# Altium PCB Pin28_PCB.PcbDoc (part 1 of 2)
Units mm, origin at the board's own origin, x right, y up, seen from the top; angles counter-clockwise.
Board outline 68.58 x 53.34 mm, 2 copper layers (L1, L2), stack 1.671 mm thick; 101 components, 68 nets, 313 pads, 75 vias.
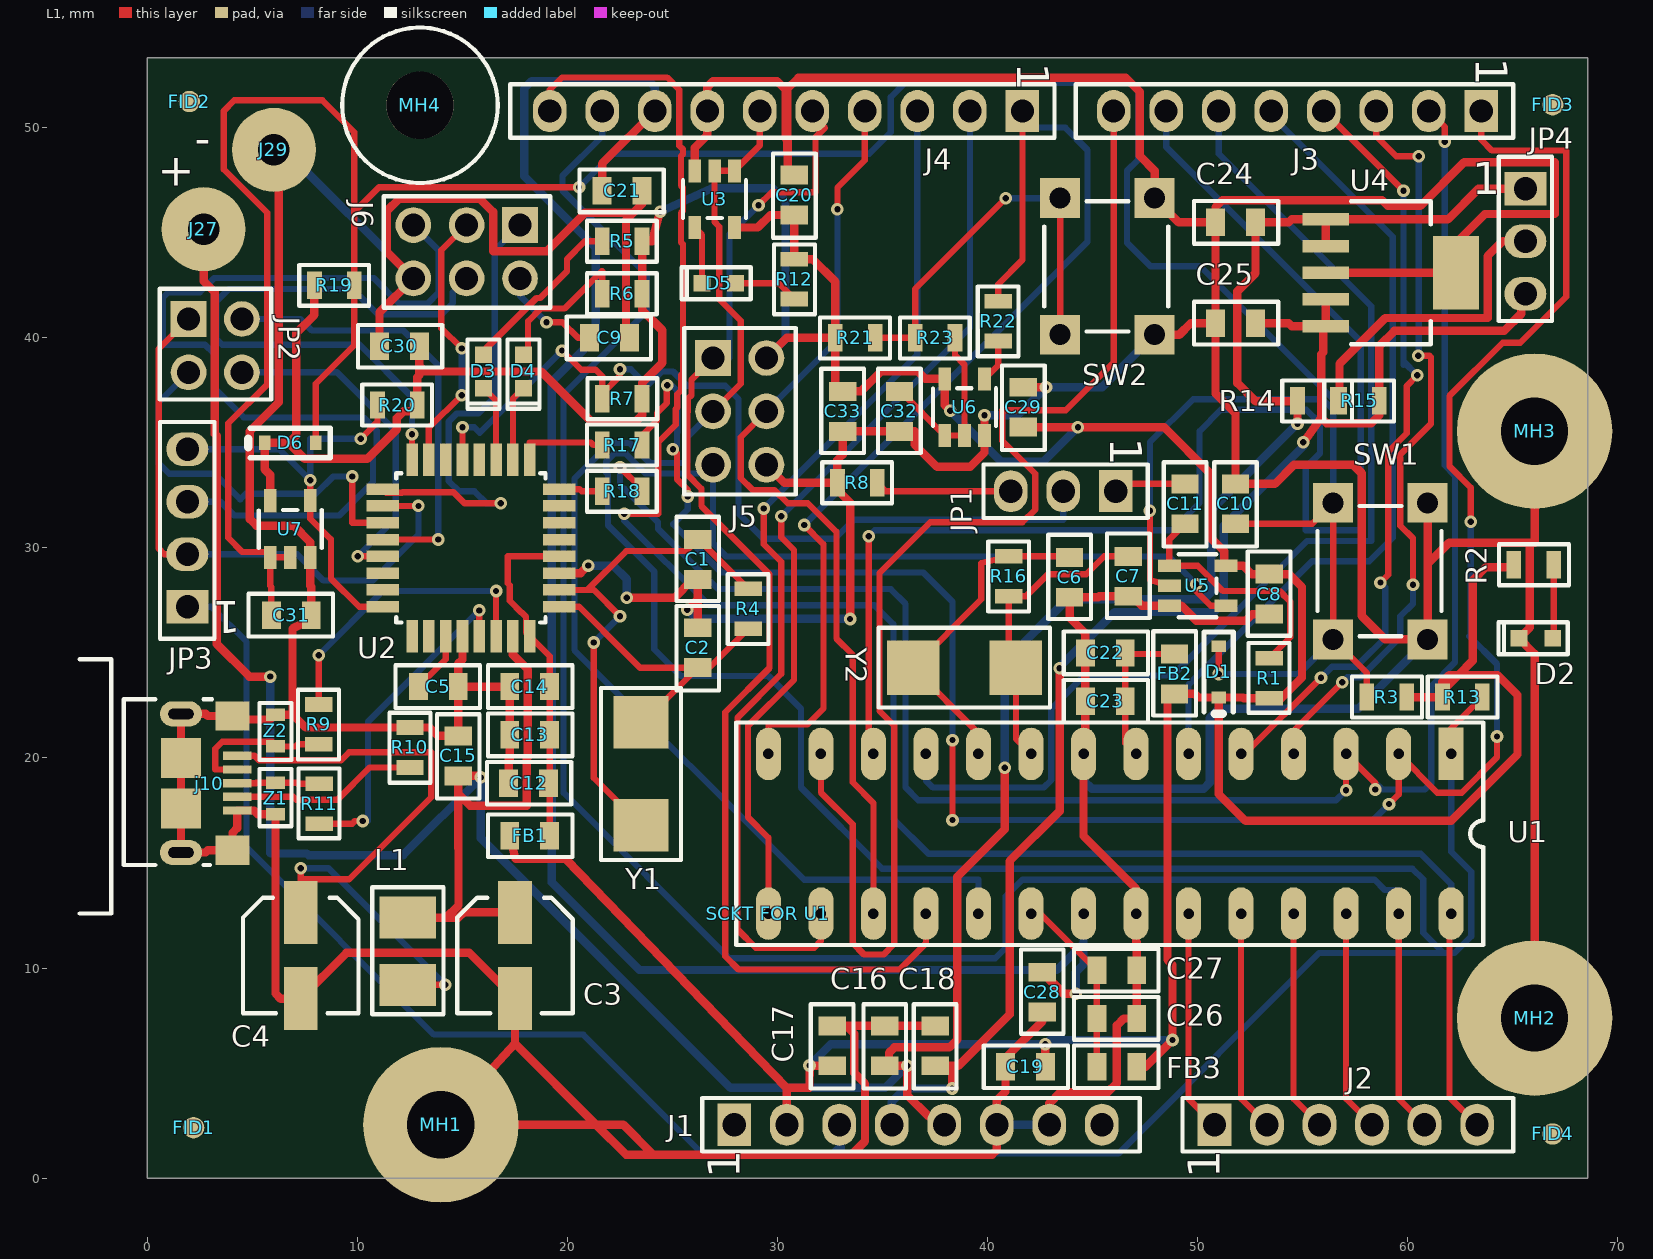
[diagram p0: L1 view]
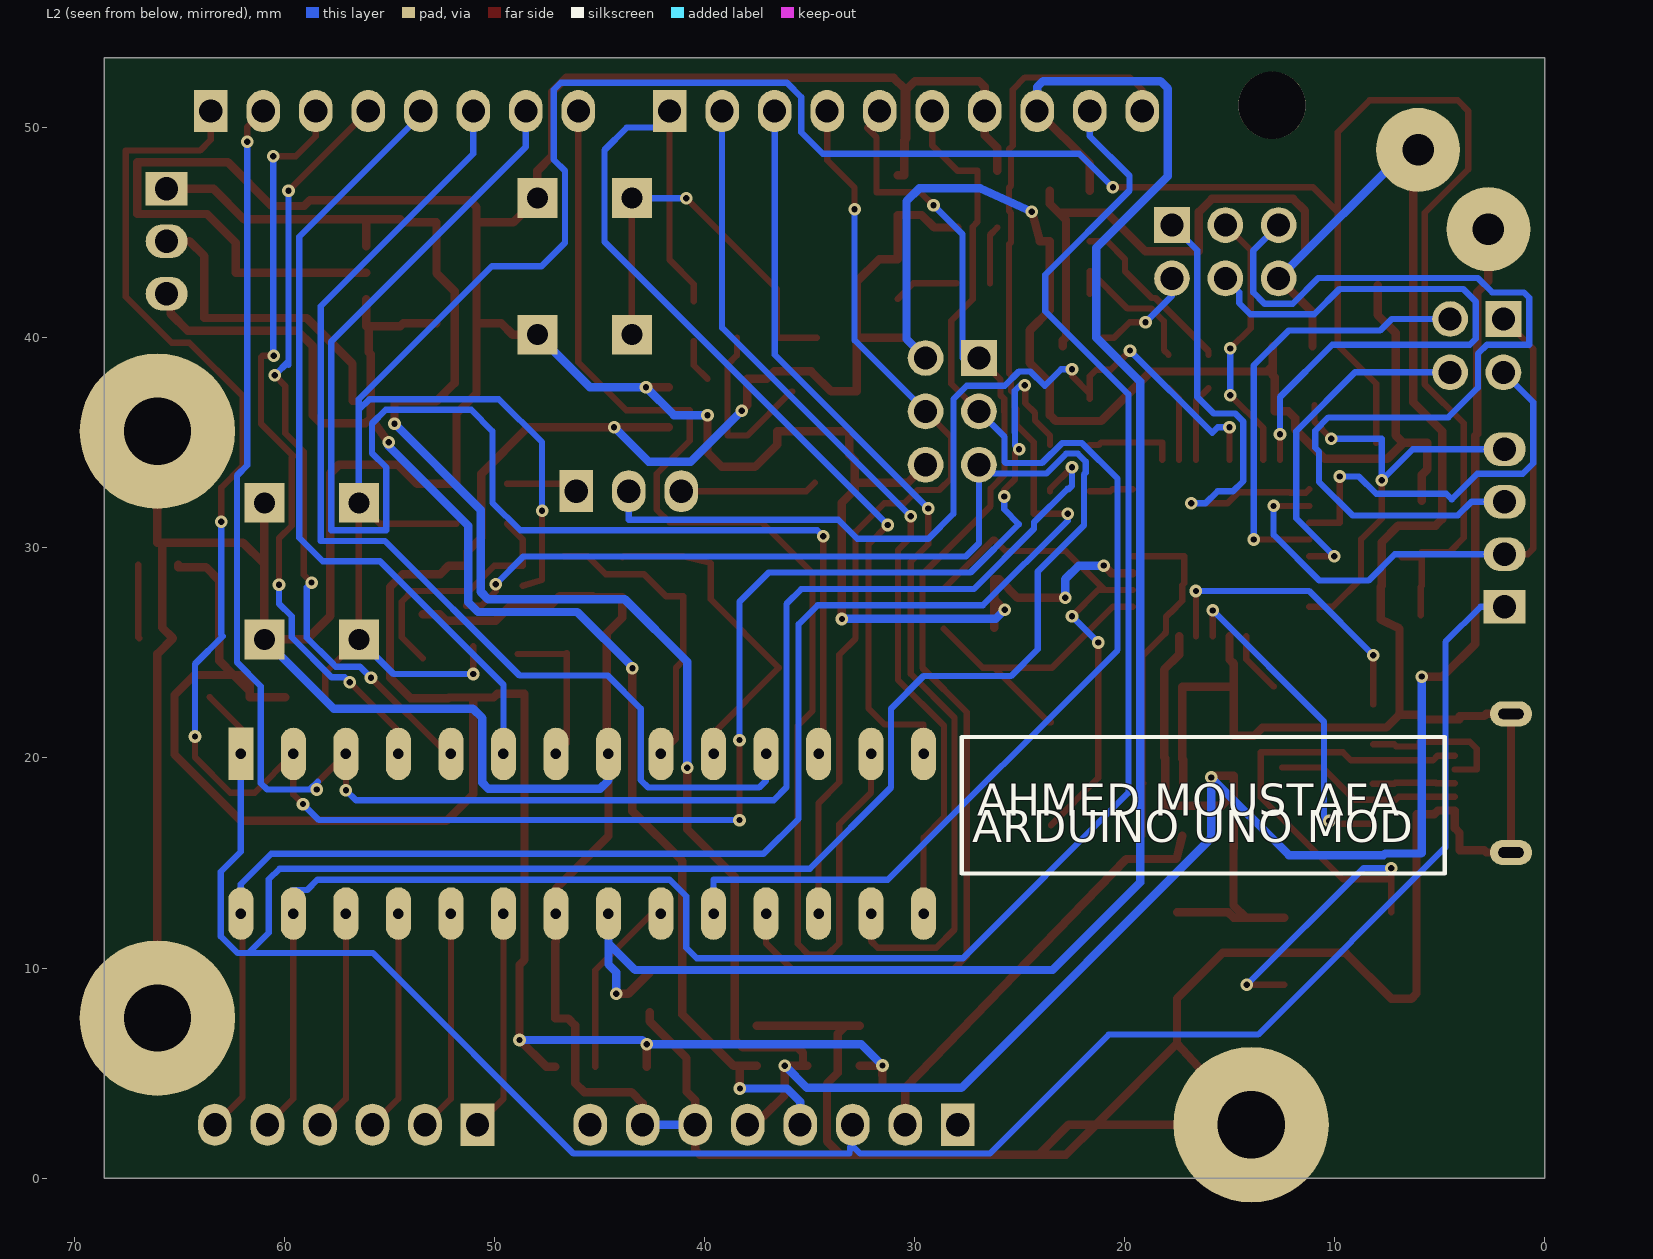
[diagram p1: L2 view, seen from below]
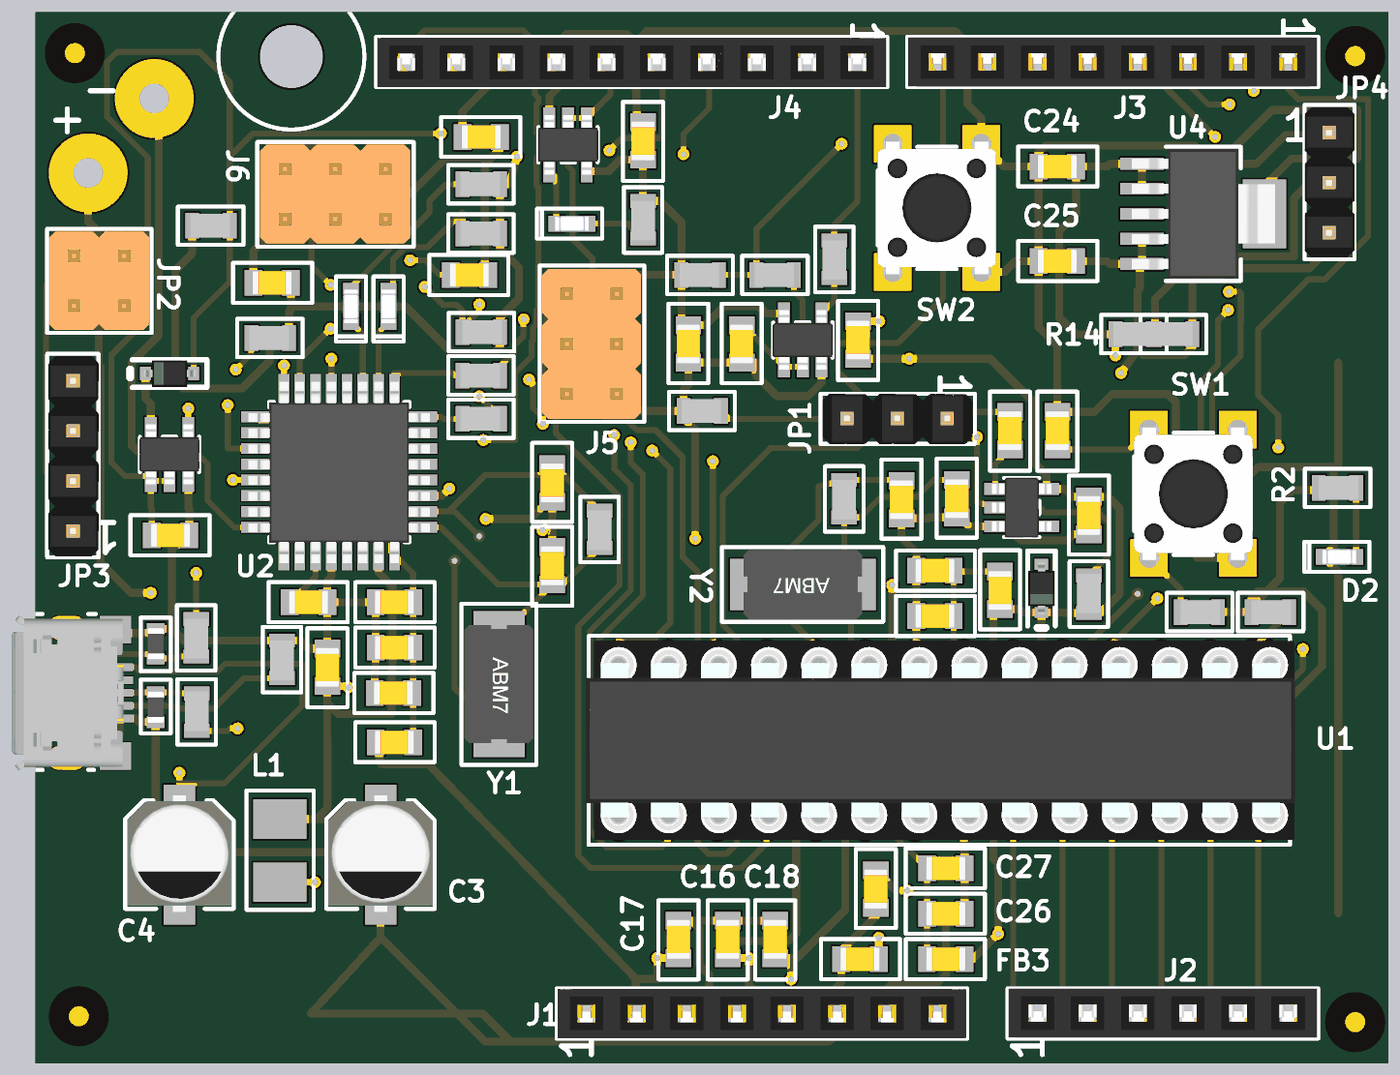
[diagram p3: 3D render of the assembled board from above, using the file's embedded part models]

## Layer stack, top to bottom
Top Solder: solder mask 0.0102, Solder Resist, Dk 3.5
L1: signal copper 0.0356
Dielectric 1: dielectric 1.6, FR-4, Dk 4.8
L2: signal copper 0.0356
Bottom Solder: solder mask 0.0102, Solder Resist, Dk 3.5

## Board outline
0,0 68.58,0 68.58,53.34 0,53.34

## Design rules (kind name [scope] priority, off if disabled: settings)
Clearance [All] p1: gap=0.2 ignorepadtopadclearanceinfootprint=FALSE
ComponentClearance "SW2 and FID1" [InComponent('SW2') vs InComponent('FID1')] p1: gap=0 collisioncheckmode=3 verticalgap=0 showdistances=FALSE
ComponentClearance "Power Resistors" [InComponent('R14') vs InComponent('R15')] p2: gap=0 collisioncheckmode=3 verticalgap=0 showdistances=FALSE
ComponentClearance "MH4 to FID4 and J4" [InComponent('MH2') vs InComponent('FID4') or InComponent('J2')] p3: gap=0 collisioncheckmode=3 verticalgap=0 showdistances=FALSE
ComponentClearance "DIP SOCKET to MH2 and U1" [InComponent('SCKT FOR U1') vs InComponent('U1')] p4: gap=0 collisioncheckmode=3 verticalgap=0 showdistances=TRUE
ComponentClearance "MH4 to J4" [InComponent('MH4') vs InComponent('J4')] p5: gap=0 collisioncheckmode=3 verticalgap=0 showdistances=TRUE
HoleSize [All] p1: absolutevalues=TRUE maxlimit=10 minlimit=0.2 maxpercent=80.000 minpercent=20.000
HoleToHoleClearance [All] p1: gap=0.3 allowstackedmicrovias=TRUE
MinimumSolderMaskSliver [All] p1: minsoldermaskwidth=0.1
PolygonConnect [All] p1: connectstyle=Relief reliefconductorwidth=0.254 reliefentries=4 polygonreliefangle="90 Angle" airgapwidth=0.254
RoutingVias [All] p1: holewidth=0.3 width=0.6 viastyle="Through Hole" minholewidth=0.3 minwidth=0.6 maxholewidth=0.3 maxwidth=0.6
SilkToSilkClearance [All] p1: silktosilkclearance=0.1
SilkToSolderMaskClearance [IsPad] p1: minsilkscreentomaskgap=0.1 clearancetoexposedcopper=TRUE
SolderMaskExpansion [All] p1: expansion=0.1
Width "Width POWER" [InNet('+*')  or InNet('GND')] p1: maxlimit=4 minlimit=0.4 preferedwidth=0.4
Width [All] p2: maxlimit=0.5 minlimit=0.3 preferedwidth=0.3
24 further rules are at their usual default settings.

## Components (designator, comment, footprint, x,y, rotation, side; value= is the part's Value field where it differs from the comment)
C1 "18p" "C0805 0.1 UF Footprint" 26.2,29.45 r90 top
C2 "18p" "C0805 0.1 UF Footprint" 26.2,25.25 r270 top
C3 "EEE-1AA101WR" C_ALU_C_SIZE 17.5,10.6 r270 top
C4 "EEE-1AA101WR" C_ALU_C_SIZE 7.3,10.6 r270 top
C5 "1uF" "C0805 10 uF Footprint" 13.85,23.4 r180 top
C6 "18p" "C0805 0.1 UF Footprint" 43.9,28.6 r90 top
C7 "18p" "C0805 0.1 UF Footprint" 46.7,28.65 r90 top
C8 "0.1uF" "C0805 0.1 UF Footprint" 53.4,27.8 r90 top
C9 "0.1uF" "C0805 0.1 UF Footprint" 22,40 r180 top
C10 "0.1uF" "C0805 0.1 UF Footprint" 51.8,32.1 r270 top
C11 "0.1uF" "C0805 0.1 UF Footprint" 49.4,32.1 r270 top
C12 "10uF" "C0805 10 uF Footprint" 18.15,18.8 r0 top
C13 "0.1uF" "C0805 0.1 UF Footprint" 18.2,21.1 r0 top
C14 "0.1uF" "C0805 0.1 UF Footprint" 18.2,23.4 r0 top
C15 "0.1uF" "C0805 0.1 UF Footprint" 14.8,20.1 r270 top
C16 "0.1uF" "C0805 0.1 UF Footprint" 35.1,6.3 r270 top
C17 "0.1uF" "C0805 0.1 UF Footprint" 32.6,6.3 r270 top
C18 "0.1uF" "C0805 0.1 UF Footprint" 37.5,6.3 r270 top
C19 "0.1uF" "C0805 0.1 UF Footprint" 41.8,5.3 r0 top
C20 "0.1uF" "C0805 0.1 UF Footprint" 30.8,46.8 r270 top
C21 "10uF" "C0805 10 uF Footprint" 22.6,47 r180 top
C22 "0.1uF" "C0805 0.1 UF Footprint" 45.6,25 r0 top
C23 "10uF" "C0805 10 uF Footprint" 45.6,22.7 r0 top
C24 "10uF" "C0805 10 uF Footprint" 51.8,45.5 r0 top
C25 "10uF" "C0805 10 uF Footprint" 51.8,40.7 r0 top
C26 "0.1uF" "C0805 0.1 UF Footprint" 46.15,7.6 r180 top
C27 "10uF" "C0805 10 uF Footprint" 46.15,9.9 r180 top
C28 "10uF" "C0805 10 uF Footprint" 42.6,8.85 r90 top
C29 "0.1uF" "C0805 0.1 UF Footprint" 41.7,36.7 r270 top
C30 "0.1uF" "C0805 0.1 UF Footprint" 12,39.6 r0 top
C31 "0.1uF" "C0805 0.1 UF Footprint" 6.85,26.8 r180 top
C32 "0.1uF" "C0805 0.1 UF Footprint" 35.8,36.5 r90 top
C33 "0.1uF" "C0805 0.1 UF Footprint" 33.1,36.5 r90 top
D1 "BAT54HT1G" SOD323 51,24.1 r90 top
D2 "GREEN" LED_0603 66.1,25.7 r0 top
D3 "Orange" LED_0603 16,38.4 r90 top
D4 "Orange" LED_0603 17.9,38.4 r90 top
D5 "Orange" LED_0603 27.2,42.6 r0 top
D6 "BAT54HT1G" SOD323 6.8,35 r0 top
FB1 "MPZ2012S601AT000" "C0805 0.1 UF Footprint" 18.2,16.3 r0 top
FB2 "MPZ2012S601AT000" "C0805 0.1 UF Footprint" 48.9,24 r90 top
FB3 "MPZ2012S601AT000" "C0805 0.1 UF Footprint" 46.15,5.3 r180 top
FID1 "FID_1MM" FID_40x120 2.2,2.4 r0 top
FID2 "FID_1MM" FID_40x120 2,51.25 r90 top
FID3 "FID_1MM" FID_40x120 66.9,51.1 r90 top
FID4 "FID_1MM" FID_40x120 66.9,2.1 r90 top
J1 "POWER" "Header Female 8 2.54 mm" 27.94,2.54 r90 top locked
J2 "M20-7820646" "Header Female 6 2.54 mm" 50.8,2.54 r90 top locked
J3 "08 contacts 2.54mm (0.1\") Pitch SIL Vertical PC Tail Socket Assembly, selective gold + tin" "Header Female 8 2.54 mm" 63.5,50.8 r270 top locked
J4 "10 contacts - M20-7821046 - Board-To-Board Connector, M20 Series, Through Hole, Receptacle, 10, 2.54 mm, Tin Plated Contacts" "Header Female 10 2.54 mm" 41.656,50.8 r270 top locked
J5 "HDR 2x3" "HDR 2x3 2.54mm" 28.2,36.5 r0 top
J6 "HDR 2x3" "HDR 2x3 2.54mm" 15.2,44.1 r270 top
j10 "10118193-0001LF" 10118193 4.275,20.1 r270 top locked
J27 "4MMx1.5MM" PAD_4MMx1.5MM 4.675,44.675 r0 top
J29 "4MMx1.5MM" PAD_4MMx1.5MM 8.025,48.45 r0 top
JP1 "HDR 1x3" "Header Male HDR 1x3 2.54 mm" 46.1,32.7 r270 top
JP2 "HDR 2x2" "HDR 2x2 2.54mm" 1.96,40.9 r0 top
JP3 "68001-204HLF" "Header MALE HDR 1x4 2.54 mm" 1.9,27.2 r180 top
JP4 "HDR 1x3" "Header Male HDR 1x3 2.54 mm" 65.6,47.1 r0 top
L1 "L1210R2R2MDWIT" C1210_IND 12.4,10.8 r270 top
MH1 "MH7.4MMc_3.2MMD" MH7.4MMD_3.2MMD#1 74.676,8.636 r0 top locked
MH2 "MH7.4MMc_3.2MMD" MH7.4MMD_3.2MMD#2 84.836,8.636 r0 top locked
MH3 "MH7.4MMc_3.2MMD" MH7.4MMD_3.2MMD#3 93.98,-10.16 r0 top locked
MH4 "MH_7.4MMNC_3.2MMD" MH_7.4MMND_3.2MMD_NON_COPPER 12.975,51.075 r0 top
R1 "RC0805FR-0710KL" "R0805 1K" 53.4,23.8 r270 top
R2 "560 ohm" "R0805 1K" 66,29.2 r180 top
R3 "RC0805FR-0710KL" "R0805 1K" 59,22.9 r180 top
R4 "1M" "R0805 1M" 28.6,27.1 r90 top
R5 "560 ohm" "R0805 1K" 22.6,44.6 r0 top
R6 "560 ohm" "R0805 1K" 22.6,42.1 r0 top
R7 "100K" "R0805 1K" 22.6,37.1 r180 top
R8 "1K ohm" "R0805 1M" 33.8,33.1 r0 top
R9 "22 R" "R0805 1K" 8.15,21.6 r90 top
R10 "0R/RC0805JR-070RL" "R0805 1K" 12.5,20.5 r90 top
R11 "22 R" "R0805 1K" 8.175,17.825 r270 top
R12 "560 ohm" "R0805 1K" 30.8,42.8 r90 top
R13 "RC0805FR-0710KL" "R0805 1K" 62.6,22.9 r180 top
R14 "0R" "R0805 1K" 55.7,37 r0 top
R15 "0R" "R0805 1K" 57.7,37 r0 top
R16 "1M" "R0805 1M" 41,28.65 r90 top
R17 "1K ohm" "R0805 1M" 22.6,34.9 r0 top
R18 "1K ohm" "R0805 1M" 22.6,32.7 r0 top
R19 "RC0805FR-0710KL" "R0805 1K" 8.9,42.5 r0 top
R20 "RC0805FR-0710KL" "R0805 1K" 11.9,36.8 r0 top
R21 "RC0805FR-0710KL" "R0805 1K" 33.7,40 r0 top
R22 "560 ohm" "R0805 1K" 40.5,40.8 r90 top
R23 "22 R" "R0805 1K" 37.5,40 r0 top
"SCKT FOR U1" "28-DIP Socket" "28-DIP, 7.6MM SOCKET" 29.565,12.593 r90 top locked
SW1 "450-1650-ND" 1825910-6 58.7,28.9 r0 top
SW2 "450-1650-ND" 1825910-6 45.7,43.4 r0 top
U1 "ATMEGA328P-PU" DIP28 62.065,20.193 r270 top locked
U2 "ATMEGA16U2-AU" TQFP32 15.4,30 r180 top locked
U3 "SN74AHC1G09DBVR" DBV_SOT_23_5 27,46.6 r270 top
U4 "TL1963A-33DCQR" "DCQ (R-PDSO-G6)" 59.2,43.1 r0 top
U5 "SN74AHC1G09DBVR" DBV_SOT_23_5 50,28.2 r0 top
U6 "SN74AHC1G09DBVR" DBV_SOT_23_5 38.9,36.7 r90 top
U7 "SN74AHC1G09DBVR" DBV_SOT_23_5 6.8,30.9 r90 top
Y1 "M7-16.000MHZ-D2Y-T" "Crystal 16Mhz" 23.5,19.25 r270 top
Y2 "M7-16.000MHZ-D2Y-T" "Crystal 16Mhz" 38.9,24.3 r180 top
Z1 "CG0603MLC-05E" R0603 6.1,18.075 r90 top
Z2 "CG0603MLC-05E" R0603 6.1,21.3 r270 top

## Footprints (in the part's own frame and the unit in brackets; to place one, negate y for a bottom-side part, rotate by r counter-clockwise, add the part's x,y. Pads: shape width x height; smd on the part's side, far side on the other; paste and mask are expansions set on the pad)
"28-DIP, 7.6MM SOCKET" [mm]
  body extent -1.24,-34.26 8.86,1.24, height 4.2
1825910-6 [mm]
  rect 1.9x1.9 hole 1: 1(2.25,3.25) 2(2.25,-3.25) 3(-2.25,3.25) 4(-2.25,-3.25)
  silkscreen extent -3,-3.1 2.9,3.1, body extent -2.99,-3.9 3,3.9, height 5
10118193 [mm]
  rect 0.4x1.35 smd mask+0.05: 1(0,0) 2(0.65,0) 3(1.3,0) 4(1.95,0) 5(2.6,0)
  rect 1.4x1.6 smd mask+0.05: 6(-1.9,-0.225) 7(4.5,-0.225)
  oval 1.2x2 hole 0.5 slot 1.2 at 90 deg mask+0.05: 8(-2,-2.675) 9(4.6,-2.675)
  rect 1.9x1.9 smd mask+0.05: 10(0.1,-2.675) 11(2.5,-2.675)
  silkscreen extent -4.6,-7.5 7.5,-1.2, body extent -2.63,-5.46 5.23,0.2, height 3.08
"C0805 0.1 UF Footprint" [mm]
  rect 0.9x1.3 smd: 1(-0.95,0) 2(0.95,0)
  silkscreen extent -1.98,-1.02 2.03,1.02, body extent -1,-0.6 1,0.6, height 0.94
"C0805 10 uF Footprint" [mm]
  rect 0.9x1.3 smd: 1(-0.95,0) 2(0.95,0)
  silkscreen extent -1.98,-1.02 2.03,1.02, body extent -1,-0.6 1,0.6, height 1.04
C1210_IND [mm]
  rect 2x2.7 smd: 1(-1.6,0) 2(1.6,0)
  silkscreen extent -3.05,-1.7 3,1.7, body extent -1.6,-1.25 1.7,1.25, height 2.7
C_ALU_C_SIZE [mm]
  rect 3x1.6 smd: 1(-2.05,0) 2(2.05,0)
  silkscreen extent -2.75,-2.75 2.75,2.75, body extent -3,-2.65 2.9,2.65, height 5.41
"Crystal 16Mhz" [mm]
  rect 2.5x2.6 smd: 1(-2.45,0) 2(2.45,0)
  silkscreen extent -4.07,-1.9 4.1,1.9, body extent -3,-1.75 3,1.75, height 1.4
DBV_SOT_23_5 [mm]
  rect 1.1x0.6 smd: 1(-1.35,0.95) 2(-1.35,0) 3(-1.35,-0.95) 4(1.35,-0.95) 5(1.346,0.95)
  silkscreen extent -0.9,-1.5 0.9,1.5, body extent -1.51,-1.53 1.51,1.52, height 1.6
"DCQ (R-PDSO-G6)" [mm]
  rect 2.2x0.6 smd: 1(-3.1,2.54) 2(-3.1,1.27) 3(-3.1,0) 4(-3.1,-1.27) 5(-3.1,-2.54)
  rect 2.2x3.5 smd: 6(3.1,0)
  silkscreen extent -1.9,-3.4 1.9,3.4, body extent -3.63,-3.27 3.63,3.28, height 1.8
DIP28 [mm]
  rect 2.5x1.2 hole 0.5: 1(0,0)
  oval 2.5x1.2 hole 0.5: 2(0,-2.5) 3(0,-5) 4(0,-7.5) 5(0,-10) 6(0,-12.5) 7(0,-15) 8(0,-17.5) 9(0,-20) 10(0,-22.5) 11(0,-25) 12(0,-27.5) 13(0,-30) 14(0,-32.5) 15(7.6,-32.5) 16(7.6,-30) 17(7.6,-27.5) 18(7.6,-25) 19(7.6,-22.5) 20(7.6,-20) 21(7.6,-17.5) 22(7.6,-15) 23(7.6,-12.5) 24(7.6,-10) 25(7.6,-7.5) 26(7.6,-5) 27(7.6,-2.5) 28(7.6,0)
  silkscreen extent -1.5,-34.03 9.1,1.53, body extent -0.14,-34.16 7.74,1.78, height 7.55
FID_40x120 [mil]
  round 40 smd paste-40 mask+40: 1(0,0)
"HDR 2x2 2.54mm" [mm]
  rect 1.7x1.7 hole 1.1: 1(0,0)
  round 1.7 hole 1.1: 2(2.54,0) 3(0,-2.54) 4(2.54,-2.54)
  silkscreen extent -1.37,-3.84 3.94,1.43, body extent -1.26,-3.7 3.82,1.3, height 8
"HDR 2x3 2.54mm" [mm]
  rect 1.7x1.7 hole 1.1: 1(-1.27,2.54)
  round 1.7 hole 1.1: 2(1.27,2.54) 3(-1.27,0) 4(1.27,0) 5(-1.27,-2.54) 6(1.27,-2.54)
  silkscreen extent -2.64,-3.95 2.67,3.98, body extent -2.5,-3.81 2.5,3.81, height 8
"Header Female 6 2.54 mm" [mm]
  rect 2x1.6 hole 1.1: 1(0,0)
  oval 2x1.6 hole 1.1: 2(0,-2.5) 3(0,-5) 4(0,-7.5) 5(0,-10) 6(0,-12.5)
  silkscreen extent -1.27,-14.22 1.27,1.52, body extent -1.23,-14.17 1.27,1.47, height 8
"Header Female 8 2.54 mm" [mm]
  rect 2x1.6 hole 1.1: 1(0,0)
  oval 2x1.6 hole 1.1: 2(0,-2.5) 3(0,-5) 4(0,-7.5) 5(0,-10) 6(0,-12.5) 7(0,-15) 8(0,-17.5)
  silkscreen extent -1.27,-19.3 1.27,1.52, body extent -1.25,-19.25 1.25,1.47, height 8
"Header Female 10 2.54 mm" [mm]
  rect 2x1.6 hole 1.1: 1(0,0)
  oval 2x1.6 hole 1.1: 2(0,-2.5) 3(0,-5) 4(0,-7.5) 5(0,-10) 6(0,-12.5) 7(0,-15) 8(0,-17.5) 9(0,-20) 10(0,-22.5)
  silkscreen extent -1.27,-24.38 1.27,1.52, body extent -1.23,-24.33 1.27,1.47, height 9
"Header Male HDR 1x3 2.54 mm" [mm]
  rect 2x1.6 hole 1.1: 1(0,0)
  oval 2x1.6 hole 1.1: 2(0,-2.5) 3(0,-5)
  silkscreen extent -1.27,-6.3 1.27,1.52, body extent -1.27,-6.21 1.27,1.41, height 9.2
"Header MALE HDR 1x4 2.54 mm" [mm]
  rect 2x1.6 hole 1.1: 1(0,0)
  oval 2x1.6 hole 1.1: 2(0,-2.5) 3(0,-5) 4(0,-7.5)
  silkscreen extent -1.3,-8.8 1.3,1.52, body extent -1.3,-8.68 1.24,1.48, height 9.2
LED_0603 [mm]
  rect 0.8x0.8 smd: 1(-0.8,0) 2(0.8,0)
  silkscreen extent -1.78,-0.76 1.52,0.76, body extent -0.85,-0.4 0.85,0.4, height 0.67
MH7.4MMD_3.2MMD#1 [mm]
  round 7.4 hole 3.2: 1(-60.706,-6.096)
MH7.4MMD_3.2MMD#2 [mm]
  round 7.4 hole 3.2: 1(-18.796,-1.016)
MH7.4MMD_3.2MMD#3 [mm]
  round 7.4 hole 3.2: 1(-27.94,45.72)
MH_7.4MMND_3.2MMD_NON_COPPER [mm]
  round 3.2 hole 3.2 unplated: 1(0,0)
  silkscreen extent -3.7,-3.7 3.7,3.7
PAD_4MMx1.5MM [mm]
  round 4 hole 1.5: 1(-2,0.5)
R0603 [mm]
  rect 0.6x0.9 smd: 1(-0.75,0) 2(0.75,0)
  silkscreen extent -1.32,-0.76 1.4,0.76, body extent -0.8,-0.42 0.8,0.42, height 0.4
"R0805 1K" [mm]
  rect 0.7x1.3 smd: 1(-0.95,0) 2(0.95,0)
  silkscreen extent -1.67,-0.98 1.65,0.97, body extent -1.05,-0.6 0.95,0.6, height 0.55
"R0805 1M" [mm]
  rect 0.7x1.3 smd: 1(-0.95,0) 2(0.95,0)
  silkscreen extent -1.68,-0.97 1.65,0.98, body extent -1.05,-0.6 0.95,0.6, height 0.55
SOD323 [mil]
  rect 22x27 smd: 1(-48,0) 2(48,0)
  silkscreen extent -79,-28 75,28, body extent -51,-27 51,27, height 43
TQFP32 [mm]
  rect 1.55x0.55 smd mask+0.06: 1(-4.2,2.8) 2(-4.2,2) 3(-4.2,1.2) 4(-4.2,0.4) 5(-4.2,-0.4) 6(-4.2,-1.2) 7(-4.2,-2) 8(-4.2,-2.8) 17(4.2,-2.8) 18(4.2,-2) 19(4.2,-1.2) 20(4.2,-0.4) 21(4.2,0.4) 22(4.2,1.2) 23(4.2,2) 24(4.2,2.8)
  rect 0.55x1.55 smd mask+0.06: 9(-2.8,-4.2) 10(-2,-4.2) 11(-1.2,-4.2) 12(-0.4,-4.2) 13(0.4,-4.2) 14(1.2,-4.2) 15(2,-4.2) 16(2.8,-4.2) 25(2.8,4.2) 26(2,4.2) 27(1.2,4.2) 28(0.4,4.2) 29(-0.4,4.2) 30(-1.2,4.2) 31(-2,4.2) 32(-2.8,4.2)
  silkscreen extent -3.56,-3.56 3.56,3.56, body extent -4.6,-4.57 4.6,4.63, height 1.2

## Part data
C1 C2 C6 C7: library part C0805C180J5GACTU, "CAP CER 18PF 50V C0G/NP0 0805", Capacitance=18pF, Case/Package=0805, Dielectric=C0G, Dielectric Material=Ceramic, Manufacturer=KEMET, Max Operating Temperature=125°C, Min Operating Temperature=-55°C, Supplier Part Number 1=399-1112-1-ND, Temperature Coefficient=30ppm/°C, Tolerance=5%, Voltage=50V, ComponentLink1Description=http://www.farnell.com/datasheets/1769375.pdf?src-supplier=Element14, ComponentLink1URL=http://www.farnell.com/datasheets/1769375.pdf?src-supplier=Element14, ComponentLink2Description=https://www.verical.com/server-webapp/html/getDatasheet?partID=385668&src-supplier=Verical, ComponentLink2URL=https://www.verical.com/server-webapp/html/getDatasheet?partID=385668&src-supplier=Verical, ComponentLink3Description=https://www.verical.com/server-webapp/html/getDatasheet?partID=759702&src-supplier=Verical, ComponentLink3URL=https://www.verical.com/server-webapp/html/getDatasheet?partID=759702&src-supplier=Verical, Contact Plating=Tin,Matte, Depth=1.25mm, Height=0.78mm, Lead Free="Lead Free", Length=2mm, Manufacturer Part Number=C0805C180J5GACTU, Mount="Surface Mount", Packaging="Tape and Reel", Pricing 1="1=0.14, 10=0.1, 100=0.0468, 500=0.0328, 1000=0.0272 (USD)", Radiation Hardening=No, Stock 1=23525, Supplier 1=Digi-Key, Termination=SMD/SMT, Voltage Rating (DC)=50V
C3 C4: "Cap Aluminum 100uF 10V 20% (5 X 5.4mm) SMD 50mA 1000 hr 85°C T/R", Capacitance=100uF, Case/Package=Radial, Manufacturer=Panasonic, Max Operating Temperature=85°C, Min Operating Temperature=-40°C, Package Quantity=1, Ripple Current=50mA, Supplier Part Number 1=PCE3867CT-ND, Tolerance=20%, Voltage Rating=10V, ComponentLink1Description=https://industrial.panasonic.com/cdbs/www-data/pdf/RDE0000/DME0000COL90.pdf?src-supplier=Avnet, ComponentLink1URL=https://industrial.panasonic.com/cdbs/www-data/pdf/RDE0000/DME0000COL90.pdf?src-supplier=Avnet, ComponentLink2Description=https://industrial.panasonic.com/cdbs/www-data/pdf/RDE0000/DME0000COL90.pdf?src-supplier=Mouser, ComponentLink2URL=https://industrial.panasonic.com/cdbs/www-data/pdf/RDE0000/DME0000COL90.pdf?src-supplier=Mouser, ComponentLink3Description=http://industrial.panasonic.com/www-data/pdf/ABA0000/ABA0000CE2.pdf?src-supplier=Future+Electronics, ComponentLink3URL=http://industrial.panasonic.com/www-data/pdf/ABA0000/ABA0000CE2.pdf?src-supplier=Future+Electronics, ComponentLink4Description=https://industrial.panasonic.com/cdbs/www-data/pdf/RDE0000/DME0000COL90.pdf?src-supplier=Allied+Electronics, ComponentLink4URL=https://industrial.panasonic.com/cdbs/www-data/pdf/RDE0000/DME0000COL90.pdf?src-supplier=Allied+Electronics, ComponentLink5Description=https://industrial.panasonic.com/cdbs/www-data/pdf/RDE0000/DME0000COL90.pdf?src-supplier=Verical, ComponentLink5URL=https://industrial.panasonic.com/cdbs/www-data/pdf/RDE0000/DME0000COL90.pdf?src-supplier=Verical, Contact Plating=Tin, Diameter=5mm, Height=5.4mm, Height - Seated (Max)=0.213inch, Lead Free="Lead Free", Length=5.5mm, Life (Hours)=1000Hour, Manufacturer Part Number=EEE-1AA101WR, Mount="Surface Mount,PCB", Packaging="Tape and Reel", Pricing 1="1=0.32, 10=0.221, 100=0.1328, 500=0.0996 (USD)", Radiation Hardening=No, REACH SVHC=Unknown, Ripple Current (AC)=50mA, Stock 1=104209, Supplier 1=Digi-Key, Termination=SMD/SMT, Voltage Rating (DC)=10V
C5: library part C2012X5R1E105K125AA, "TDK - C2012X5R1E105K125AA - SMD Multilayer Ceramic Capacitor, 1 µF, 25 V, 0805 [2012 Metric], ± 10%, X5R, C Series", Case/Package=0805, Case Code (Metric)=2012, Dielectric=X5R, Dielectric Material=Ceramic, Manufacturer=TDK, Max Operating Temperature=85°C, Min Operating Temperature=-55°C, Package Quantity=2000, Supplier Part Number 1=445-1419-1-ND, Tolerance=10%, Voltage=25V, Capacitance=1uF, Case Code (Imperial)=0805, ComponentLink1Description=http://uk.rs-online.com/webdocs/1532/0900766b81532cd0.pdf?src-supplier=RSComponents, ComponentLink1URL=http://uk.rs-online.com/webdocs/1532/0900766b81532cd0.pdf?src-supplier=RSComponents, ComponentLink2Description=http://www.tdk.co.jp/tefe02/e412_c.pdf?src-supplier=Future+Electronics, ComponentLink2URL=http://www.tdk.co.jp/tefe02/e412_c.pdf?src-supplier=Future+Electronics, ComponentLink3Description=http://www.farnell.com/datasheets/1744655.pdf?src-supplier=Element14, ComponentLink3URL=http://www.farnell.com/datasheets/1744655.pdf?src-supplier=Element14, ComponentLink4Description=https://product.tdk.com/info/en/catalog/spec/mlccspec_commercial_general_midvoltage_en.pdf?src-supplier=Verical, ComponentLink4URL=https://product.tdk.com/info/en/catalog/spec/mlccspec_commercial_general_midvoltage_en.pdf?src-supplier=Verical, Composition=Ceramic, Depth=1.25mm, Height=1.25mm, Lead Free="Lead Free", Length=2mm, Manufacturer Part Number=C2012X5R1E105K125AA, Mount="Surface Mount", Number of Pins=2, Packaging="Tape and Reel", Pricing 1="1=0.27, 10=0.182, 100=0.0923, 500=0.0631, 1000=0.0559 (USD)", Radiation Hardening=No, REACH SVHC="No SVHC", Stock 1=17319, Supplier 1=Digi-Key, Termination=SMD/SMT, Thickness=0.057inch, Voltage Rating=25V, Voltage Rating (DC)=25V, Weight=0.000194oz, Width=0.049inch
C8 C9 C10 C11 C13 C14 C15 C16 C17 C18 C19 C20 C22 C26 C29 C30 C31 C32 C33: library part C2012X7R1H104K085AA, "0.1 µF / 100 nF TDK - C2012X7R1H104K085AA - Keramikvielschichtkondensator, SMD, 0.1 µF, 50 V, 0805 [Metrisch 2012], ± 10%, X7R, C Series TDK", Capacitance=100nF, Case/Package=0805, Case Code (Metric)=2012, Dielectric=X7R, Dielectric Material=Ceramic, Manufacturer=TDK, Max Operating Temperature=125°C, Min Operating Temperature=-55°C, Package Quantity=1, Supplier Part Number 1=445-7534-1-ND, Tolerance=10%, Voltage=50V, Case Code (Imperial)=0805, ComponentLink1Description=http://uk.rs-online.com/webdocs/1532/0900766b81532cd0.pdf?src-supplier=RSComponents, ComponentLink1URL=http://uk.rs-online.com/webdocs/1532/0900766b81532cd0.pdf?src-supplier=RSComponents, ComponentLink2Description=https://product.tdk.com/info/en/catalog/datasheets/mlcc_commercial_general_en.pdf?src-supplier=Digi-Key, ComponentLink2URL=https://product.tdk.com/info/en/catalog/datasheets/mlcc_commercial_general_en.pdf?src-supplier=Digi-Key, ComponentLink3Description=http://www.tdk.co.jp/tefe02/e412_c.pdf?src-supplier=Future+Electronics, ComponentLink3URL=http://www.tdk.co.jp/tefe02/e412_c.pdf?src-supplier=Future+Electronics, ComponentLink4Description=http://www.farnell.com/datasheets/1796654.pdf?src-supplier=Newark, ComponentLink4URL=http://www.farnell.com/datasheets/1796654.pdf?src-supplier=Newark, ComponentLink5Description=http://www.farnell.com/datasheets/1571323.pdf?src-supplier=Element14, ComponentLink5URL=http://www.farnell.com/datasheets/1571323.pdf?src-supplier=Element14, Composition=Ceramic, Depth=1.25mm, Height=0.85mm, Lead Free="Lead Free", Length=2mm, Manufacturer Part Number=C2012X7R1H104K085AA, Mount="Surface Mount", Number of Pins=2, Packaging="Tape and Reel", Pricing 1="1=0.17, 10=0.119, 100=0.0561, 500=0.0394, 1000=0.0326 (USD)", Radiation Hardening=No, REACH SVHC="No SVHC", Stock 1=148853, Supplier 1=Digi-Key, Termination=SMD/SMT, Thickness=0.037inch, Voltage Rating=50V, Voltage Rating (DC)=50V, Weight=0.000194oz, Width=0.049inch
C12 C21 C23 C24 C25 C27 C28: library part C2012X5R1C106M125AC, "10 uF / 16 V CERAMIC CAPACITOR, 10UF, 16V, X5R, 20%, 0805, FULL REEL; Product Range:C Series; Capacitance:10 F; Capacitance Tolerance: 20%; Dielectric Characteristic:X5R; Voltage Rating:16V; Ceramic Capacitor Case:0805 [2012 Metric]; MSL:- ;RoHS Compliant: Yes", Case/Package=0805, Case Code (Metric)=2012, Dielectric=X5R, Dielectric Material=Ceramic, Manufacturer=TDK, Max Operating Temperature=85°C, Min Operating Temperature=-55°C, Package Quantity=1, Supplier Part Number 1=445-4115-2-ND, Tolerance=20%, Voltage Rating=16V, Capacitance=10uF, Case Code (Imperial)=0805, ComponentLink1Description=https://media.digikey.com/pdf/Data%20Sheets/TDK%20PDFs/Multilayer%20Ceramic%20Chip%20Cap(up%20to%2050V).pdf?src-supplier=Digi-Key, ComponentLink1URL=https://media.digikey.com/pdf/Data%20Sheets/TDK%20PDFs/Multilayer%20Ceramic%20Chip%20Cap(up%20to%2050V).pdf?src-supplier=Digi-Key, ComponentLink2Description=http://www.farnell.com/datasheets/1913358.pdf?src-supplier=Element14, ComponentLink2URL=http://www.farnell.com/datasheets/1913358.pdf?src-supplier=Element14, ComponentLink3Description=https://product.tdk.com/info/en/documents/chara_sheet/C2012X5R1C106M125AC.pdf?src-supplier=Newark, ComponentLink3URL=https://product.tdk.com/info/en/documents/chara_sheet/C2012X5R1C106M125AC.pdf?src-supplier=Newark, Composition=Ceramic, Depth=1.25mm, Height=1.25mm, Lead Free="Lead Free", Length=2mm, Manufacturer Part Number=C2012X5R1C106M125AC, Mount="Surface Mount", Number of Pins=2, Packaging="Tape and Reel", REACH SVHC="No SVHC", Stock 1=0, Supplier 1=Digi-Key, Termination=SMD/SMT, Thickness=0.057inch, Voltage Rating (DC)=16V, Weight=0.000194oz, Width=0.049inch
D1 D6: "Small Signal Schottky Diode, Single, 30 V, 200 mA, 800 mV, 600 mA, 150 C ;RoHS Compliant: Yes", Average Rectified Current=200mA, Capacitance=10pF, Forward Voltage=800mV, Manufacturer="ON Semiconductor / Fairchild", Max Forward Surge Current (Ifsm)=600mA, Max Operating Temperature=150°C, Max Repetitive Reverse Voltage (Vrrm)=30V, Max Reverse Leakage Current=2uA, Min Operating Temperature=-55°C, Package Quantity=3000, Power Dissipation=200mW, Supplier Part Number 1=BAT54HT1GOSCT-ND, ComponentLink1Description=http://www.fairchildsemi.com/datasheets/BA/BAT54HT1G.pdf?src-supplier=Digi-Key, ComponentLink1URL=http://www.fairchildsemi.com/datasheets/BA/BAT54HT1G.pdf?src-supplier=Digi-Key, ComponentLink2Description=http://www.farnell.com/datasheets/2251626.pdf?src-supplier=Element14, ComponentLink2URL=http://www.farnell.com/datasheets/2251626.pdf?src-supplier=Element14, ComponentLink3Description=http://www.jameco.com/Jameco/Products/ProdDS/806549.pdf?src-supplier=Jameco, ComponentLink3URL=http://www.jameco.com/Jameco/Products/ProdDS/806549.pdf?src-supplier=Jameco, ComponentLink4Description=http://www.farnell.com/datasheets/2251626.pdf?src-supplier=Newark, ComponentLink4URL=http://www.farnell.com/datasheets/2251626.pdf?src-supplier=Newark, ComponentLink5Description=http://www.mouser.com/ds/2/149/BAT54HT1G-104602.pdf?src-supplier=Mouser, ComponentLink5URL=http://www.mouser.com/ds/2/149/BAT54HT1G-104602.pdf?src-supplier=Mouser, ComponentLink6Description=http://www.farnell.com/datasheets/1727620.pdf?src-supplier=Element14, ComponentLink6URL=http://www.farnell.com/datasheets/1727620.pdf?src-supplier=Element14, ComponentLink7Description=https://media.digikey.com/pdf/Data%20Sheets/Fairchild%20PDFs/BAT54HT1G_Rev_1.2.pdf?src-supplier=Avnet, ComponentLink7URL=https://media.digikey.com/pdf/Data%20Sheets/Fairchild%20PDFs/BAT54HT1G_Rev_1.2.pdf?src-supplier=Avnet, ComponentLink8Description=http://www.onsemi.com/pub/Collateral/BAT54HT1-D.PDF?src-supplier=Avnet, ComponentLink8URL=http://www.onsemi.com/pub/Collateral/BAT54HT1-D.PDF?src-supplier=Avnet, ComponentLink9Description=http://www.onsemi.com/pub/Collateral/BAT54HT1-D.PDF?src-supplier=Digi-Key, ComponentLink9URL=http://www.onsemi.com/pub/Collateral/BAT54HT1-D.PDF?src-supplier=Digi-Key, ComponentLink10Description=http://uk.rs-online.com/webdocs/11a6/0900766b811a63a9.pdf?src-supplier=RSComponents, ComponentLink10URL=http://uk.rs-online.com/webdocs/11a6/0900766b811a63a9.pdf?src-supplier=RSComponents, ComponentLink11Description=https://media.digikey.com/pdf/Data%20Sheets/Fairchild%20PDFs/BAT54HT1G_Rev_1.2.pdf?src-supplier=Mouser, ComponentLink11URL=https://media.digikey.com/pdf/Data%20Sheets/Fairchild%20PDFs/BAT54HT1G_Rev_1.2.pdf?src-supplier=Mouser, ComponentLink12Description=http://www.fairchildsemi.com/ds/BA/BAT54HT1G.pdf?src-supplier=Future+Electronics, ComponentLink12URL=http://www.fairchildsemi.com/ds/BA/BAT54HT1G.pdf?src-supplier=Future+Electronics, ComponentLink13Description=http://www.produktinfo.conrad.com/datenblaetter/1200000-1299999/001262925-da-01-en-DIODE_SCHOTTKY_30V_BAT54HT1G_SOD_323_FSC.pdf?src-supplier=Conrad, ComponentLink13URL=http://www.produktinfo.conrad.com/datenblaetter/1200000-1299999/001262925-da-01-en-DIODE_SCHOTTKY_30V_BAT54HT1G_SOD_323_FSC.pdf?src-supplier=Conrad, Contact Plating=Tin,Matte, Current Rating=200mA, Element Configuration=Single, Forward Current=200mA, Height=1mm, Lead Free="Lead Free", Length=1.8mm, Manufacturer Part Number=BAT54HT1G, Max Reverse Voltage (DC)=30V, Max Surge Current=600mA, Mount="Surface Mount", Number of Pins=2, Output Current=200mA, Packaging="Tape and Reel", Peak Non-Repetitive Surge Current=600mA, Peak Reverse Current=2uA, Polarity=Standard, Pricing 1="1=0.2, 10=0.181, 25=0.1724, 100=0.0759, 250=0.0729, 500=0.0596, 1000=0.0414 (USD)", Radiation Hardening=No, REACH SVHC="No SVHC", Recovery Time=5ns, Reverse Recovery Time=5ns, Reverse Voltage=30V, Stock 1=483326, Supplier 1=Digi-Key, Voltage Rating (DC)=30V, Width=1.35mm
D2: library part LGL29K-G2J1-24-Z, "LED Uni-Color Green 572nm 2-Pin Chip 0603(1608Metric) T/R", Case/Package=0603, Case Code (Metric)=1608, Color=Green, Forward Current=20mA, Forward Voltage=2.2V, Lens Color=White, Manufacturer="Osram Opto", Max Operating Temperature=100°C, Min Operating Temperature=-40°C, Package Quantity=5000, Reverse Voltage=12V, Supplier Part Number 1=475-2709-1-ND, Test Current=2mA, Case Code (Imperial)=0603, ComponentLink1Description=http://www.mouser.com/ds/2/311/LG%20L29K%20-%20SMARTLED%200603-335234.pdf?src-supplier=Mouser, ComponentLink1URL=http://www.mouser.com/ds/2/311/LG%20L29K%20-%20SMARTLED%200603-335234.pdf?src-supplier=Mouser, ComponentLink2Description=https://dammedia.osram.info/media/resource/hires/osram-dam-2493945/LG%20L29K.pdf?src-supplier=Digi-Key, ComponentLink2URL=https://dammedia.osram.info/media/resource/hires/osram-dam-2493945/LG%20L29K.pdf?src-supplier=Digi-Key, ComponentLink3Description=https://www.verical.com/server-webapp/html/getDatasheet?partID=571127&src-supplier=Verical, ComponentLink3URL=https://www.verical.com/server-webapp/html/getDatasheet?partID=571127&src-supplier=Verical, Depth=0.8mm, Dominant Wavelength=570nm, Height=0.65mm, Illumination Color=Green, Length=1.3mm, Lens Size=0.8mm, Lens Style=Flat,Diffused,Colorless,Rectangular, Lens Transparency=Diffused, Luminous Flux=0.012lm, Luminous Intensity=5.6mcd, Manufacturer Part Number=LGL29K-G2J1-24-Z, Mount="Surface Mount", Number of Elements=1, Number of LEDs=1, Number of Pins=2, Packaging="Tape and Reel", Pricing 1="1=0.42, 10=0.304, 100=0.1983, 500=0.1425, 1000=0.1115, 2500=0.1022 (USD)", Radiation Hardening=No, Stock 1=208614, Supplier 1=Digi-Key, Viewing Angle=160°, Width=0.8mm
D3 D4 D5: library part LOL29K-H2K1-24-Z, "OSRAM - LO L29K-H2K1-24-Z - SMARTLED 0603 ORANGE", Case/Package=0603, Case Code (Metric)=1608, Forward Current=20mA, Forward Voltage=2.2V, Lens Color=White, Manufacturer="Osram Opto", Max Operating Temperature=100°C, Min Operating Temperature=-40°C, Package Quantity=5000, Reverse Voltage=12V, Supplier Part Number 1=475-2740-1-ND, Test Current=2mA, Case Code (Imperial)=0603, Color=Orange, ComponentLink1Description=https://dammedia.osram.info/media/resource/hires/osram-dam-2493882/LO%20L29K.pdf?src-supplier=Digi-Key, ComponentLink1URL=https://dammedia.osram.info/media/resource/hires/osram-dam-2493882/LO%20L29K.pdf?src-supplier=Digi-Key, ComponentLink2Description=https://www.verical.com/server-webapp/html/getDatasheet?partID=693885&src-supplier=Verical, ComponentLink2URL=https://www.verical.com/server-webapp/html/getDatasheet?partID=693885&src-supplier=Verical, Depth=0.8mm, Dominant Wavelength=606nm, Height=0.65mm, Illumination Color=Orange, Length=1.3mm, Lens Size=0.8mm, Lens Style=Flat,Diffused,Colorless,Rectangular, Lens Transparency=Diffused, Luminous Flux=0.025lm, Luminous Intensity=9mcd, Manufacturer Part Number=LOL29K-H2K1-24-Z, Mount="Surface Mount", Number of Elements=1, Number of LEDs=1, Number of Pins=2, Packaging="Tape and Reel", Pricing 1="1=0.42, 10=0.301, 100=0.1963, 500=0.1411, 1000=0.1104, 2500=0.1012 (USD)", Radiation Hardening=No, Stock 1=4862, Supplier 1=Digi-Key, Viewing Angle=160°, Width=0.8mm
FB1 FB2 FB3: "FERRITE BEAD 600 OHM 0805 1LN", Case/Package=0805, Case Code (Metric)=2012, Current Rating=2A, DC Resistance (DCR)=100mR, Manufacturer=TDK, Package Quantity=1, Supplier Part Number 1=445-2206-1-ND, Case Code (Imperial)=0805, ComponentLink1Description=https://media.digikey.com/pdf/Data%20Sheets/TDK%20PDFs/MPZ_Series_Br.pdf?src-supplier=Digi-Key, ComponentLink1URL=https://media.digikey.com/pdf/Data%20Sheets/TDK%20PDFs/MPZ_Series_Br.pdf?src-supplier=Digi-Key, ComponentLink2Description=https://product.tdk.com/info/en/catalog/datasheets/beads_commercial_power_mpz2012_en.pdf?src-supplier=Digi-Key, ComponentLink2URL=https://product.tdk.com/info/en/catalog/datasheets/beads_commercial_power_mpz2012_en.pdf?src-supplier=Digi-Key, Height=0.041inch, Impedance=600R, Lead Free="Lead Free", Length=0.079inch, Manufacturer Part Number=MPZ2012S601AT000, Max DC Current=2A, Mount="Surface Mount", Packaging="Tape and Reel", Pricing 1="1=0.11, 10=0.091, 25=0.0704, 50=0.0584, 100=0.0503, 250=0.0403, 500=0.0362, 1000=0.0302 (USD)", REACH SVHC="No SVHC", Stock 1=62578, Supplier 1=Digi-Key, Width=0.049inch